# KiCad board sun3_60.kicad_pcb (continued)
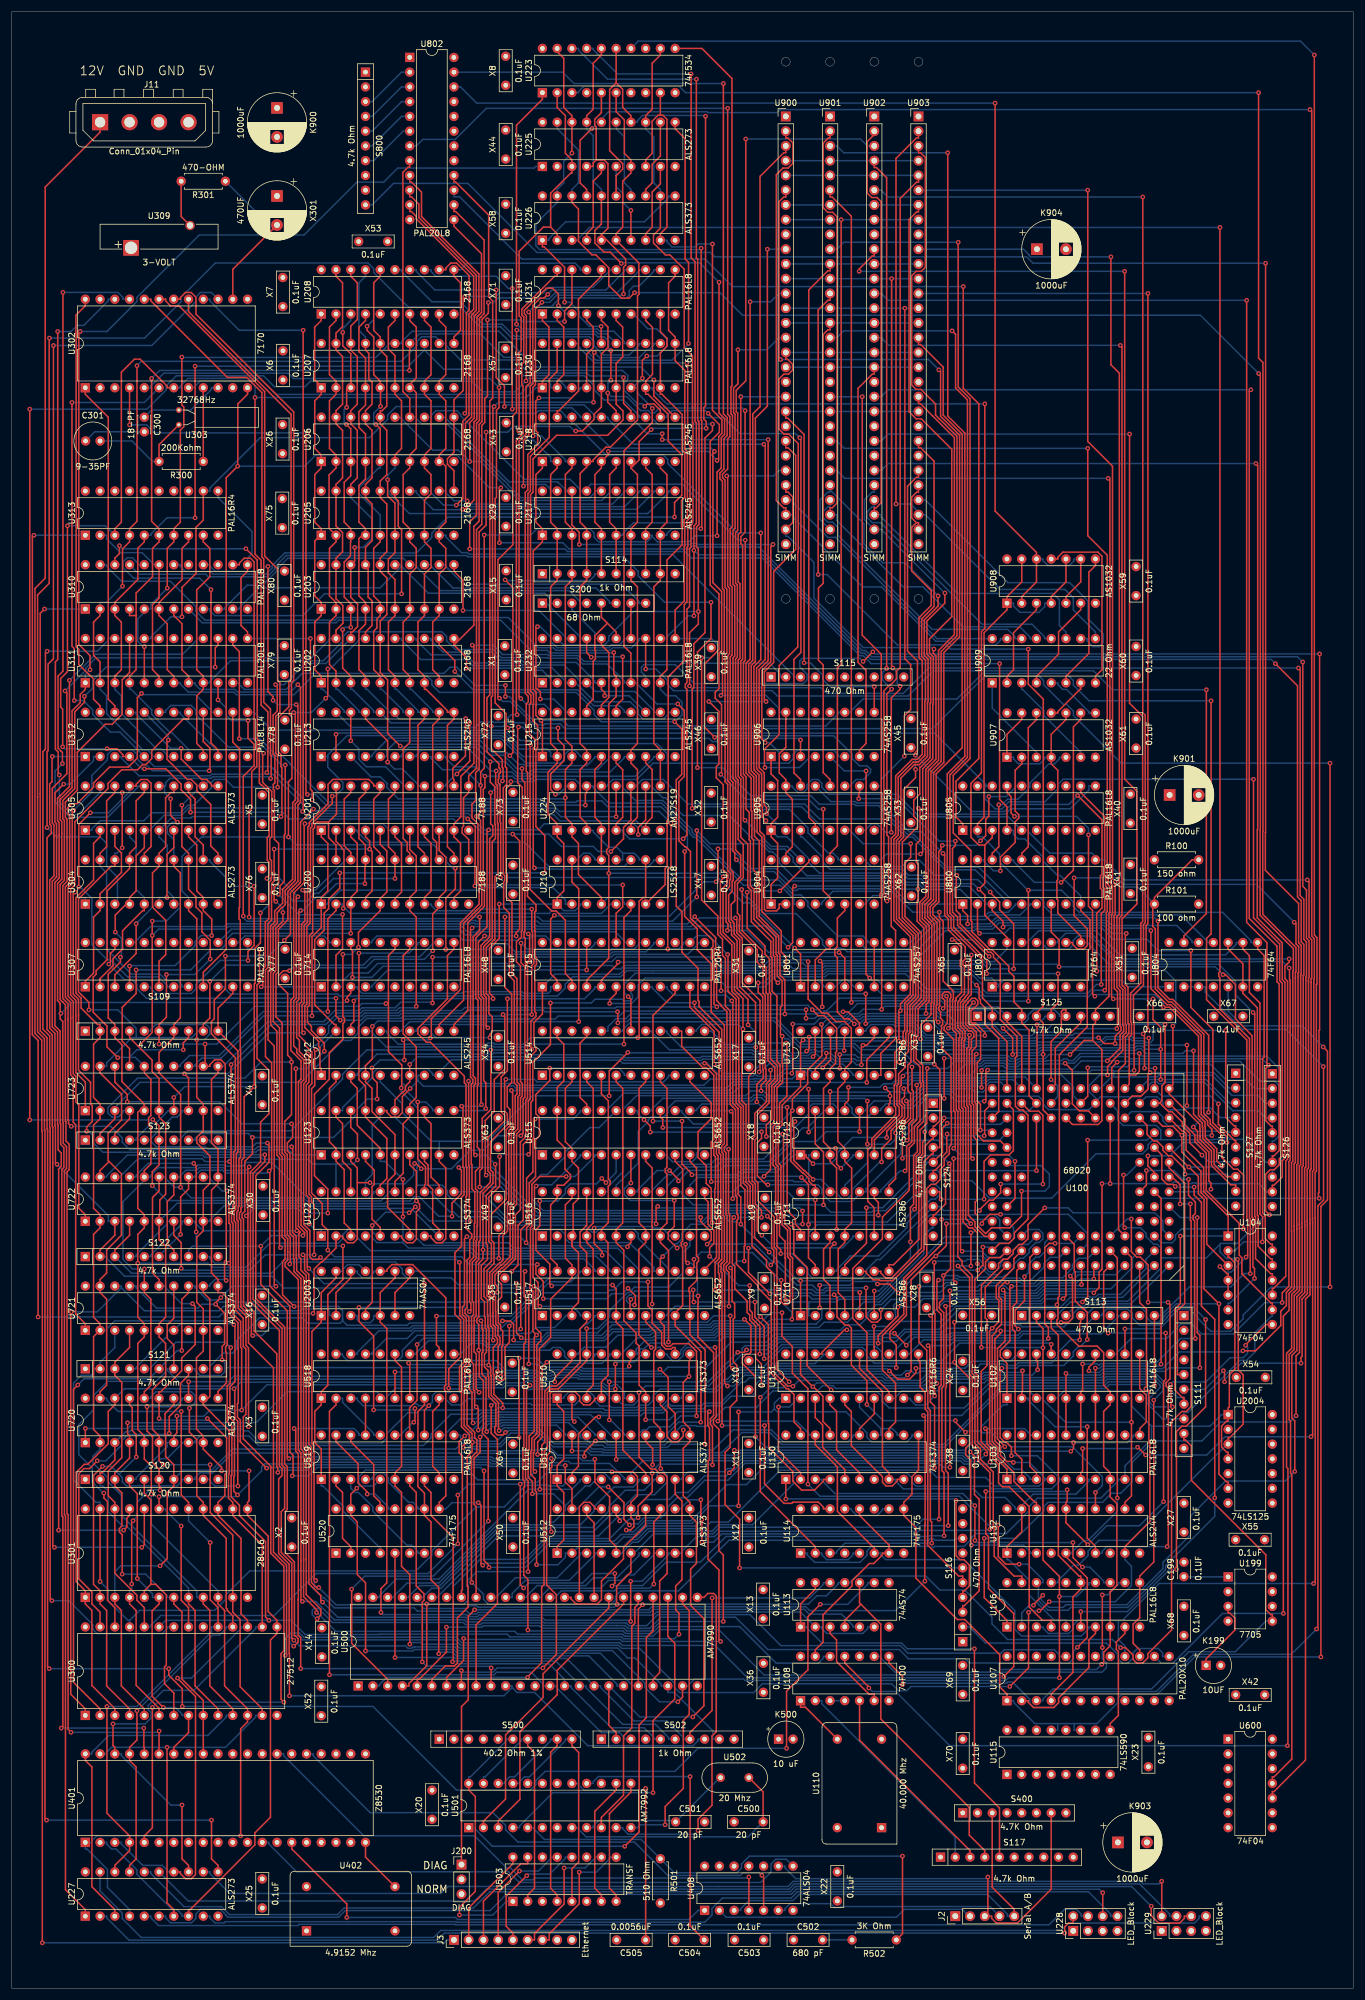
[diagram p0: board, top side]
## Routing (per net, layer and track width the routed paths; a pad name or vN(x,y) marks a point on that pad's centre or on a via; arc(x,y) is an arc through that point) (continued)
/sun3_60_mmu_diag/MMU6: length 314.9
  Top w0.25: v1(105.04,297.01) 103.11,298.94 102.06,298.94 100.47,300.52 100.47,302.67 101.6,303.8 U226.16 ; U215.8 109.22,210.97 110.35,209.85 110.35,201.65 109.22,200.53 U224.7 ; S114.8 U217.8 109.22,251.33 110.35,252.45 110.35,260.65 109.22,261.77 U218.8 ; v1(81.42,250.25) 81.42,210.09 80.8,209.47 v1(80.8,207.13) 80.8,202.55 v1(80.07,201.82) 80.78,201.12 80.78,190.52 80.99,190.31 80.99,186.5 80.13,185.64 77.86,183.37 77.86,170.16 73.66,165.96 U212.12 ; U225.17 99.06,322.45 100.19,323.57 100.19,331.48 101.6,332.89 U223.16 ; v1(121.86,293.77) 121.86,271.23 122.82,270.27 122.82,267.56 122.25,266.99 122.25,261.79 121.53,261.06 v1(121.53,250.11)
  Bottom w0.25: v1(105.04,297.01) 105.14,297.1 118.53,297.1 v1(121.86,293.77) ; v1(121.53,250.11) 117.7,250.11 116.66,249.07 111.25,249.07 110.35,249.98 ; 110.35,249.98 110.35,250.2 U217.8 ; 110.35,249.98 109.44,249.07 101.13,249.07 100.33,249.87 100.33,250.6 99.6,251.33 90.5,251.33 89.43,250.25 v1(81.42,250.25) ; v1(80.07,201.82) 80.35,202.1 93.38,202.1 94.46,201.02 107.6,201.02 U224.7 ; v1(80.8,207.13) 78.11,209.82 74.24,209.82 72.25,211.82 72.25,212.1 U213.8 ; U225.17 99.06,320.12 100.19,318.99 100.19,311.16 101.6,309.75 U226.16
/sun3_60_mmu_diag/MMU7: length 268
  Top w0.25: U223.19 93.98,333.46 95.11,332.33 95.11,323.86 96.52,322.45 U225.18 v1(96.52,316) ; U212.11 76.2,165.96 78.57,168.33 78.57,183.45 81.44,186.31 81.44,190.5 81.25,190.69 81.25,206.45 81.53,206.73 v1(81.53,208.72) ; U218.9 111.76,261.77 112.89,260.65 112.89,252.45 111.76,251.33 U217.9 S114.9 111.76,242.45 110.63,241.32 110.63,214.35 111.76,213.23 U215.9 U224.9 ; v1(118.79,299.62) 118.79,270.01 118.9,269.9 118.9,251.51 v1(118.72,251.33)
  Bottom w0.25: v1(118.79,299.62) 118.55,299.39 90.97,299.39 90.31,300.05 90.31,303.83 93.98,307.49 U226.19 93.98,309.75 95.11,310.87 95.11,314.59 v1(96.52,316) ; U213.9 74.79,212.1 74.79,211.82 76.27,210.33 79.91,210.33 v1(81.53,208.72) 86.29,208.72 86.73,208.28 89.66,208.28 90.1,208.72 107.44,208.72 110.63,211.91 110.63,212.1 U215.9 ; v1(118.72,251.33) 113.73,251.33 112.89,250.48 112.89,250.2 U217.9
/sun3_60_mmu_diag/MMU.S: length 44.7
  Top w0.25: U232.5 101.6,223.67 102.16,223.11 v1(102.16,222.57)
  Bottom w0.25: v1(102.16,222.57) 106.37,222.57 U215.13 ; U202.13 72.25,232.42 72.25,232.14 74.31,230.07 82.71,230.07 84.11,228.67 87.86,228.67 88.22,228.31 97.24,228.31 100.47,225.08 100.47,224.8 U232.5
/sun3_60_mmu_diag/MMU.V: length 55.4
  Bottom w0.25: U215.11 113.17,219.72 113.17,219.44 112.32,218.58 108.76,218.58 107.95,219.4 107.95,220.12 106.53,221.54 100.42,221.54 97.16,224.8 U232.3 95.39,224.8 95.39,225.08 93.07,227.41 87.84,227.41 87.48,227.77 79.46,227.77 78.42,228.8 70.5,228.8 67.17,232.14 67.17,232.42 U202.15
/sun3_60_mmu_diag/MMU.W: length 48.9
  Bottom w0.25: U215.12 110.63,219.72 110.63,220 107.34,223.3 100.56,223.3 U232.4 97.93,224.8 97.93,225.08 95.15,227.86 88.03,227.86 87.67,228.22 79.65,228.22 78.25,229.62 72.22,229.62 69.71,232.14 69.71,232.42 U202.14
/sun3_60_mmu_diag/MMU.X: length 40.2
  Top w0.25: U202.12 73.66,231.29 76.35,228.61 v1(76.35,226.74)
  Bottom w0.25: U215.14 105.55,219.72 105.55,220 104.71,220.85 100.28,220.85 97.54,223.59 79.5,223.59 v1(76.35,226.74)
/sun3_60_mmu_diag/MODIFY: length 38.6
  Bottom w0.25: S200.8 108.09,238.5 108.09,238.76 105.08,241.78 77.85,241.78 74.79,244.84 74.79,245.12 U203.12
/sun3_60_mmu_diag/MODIFYX: length 44.4
  Top w0.25: v1(90.59,234.46) 90.31,234.18 90.31,223.86 90.5,223.67 90.63,223.67 91.08,223.22 v1(91.08,222) ; S200.7 U232.14
  Bottom w0.25: v1(91.08,222) 93.39,222 95.39,220 95.39,219.72 U215.18 ; U232.14 105.55,232.42 105.55,232.18 104.66,231.29 103.35,231.29 102.89,230.84 93.96,230.84 92.85,231.94 92.85,232.69 91.08,234.46 v1(90.59,234.46)
/sun3_60_mmu_diag/RD.BERR-: length 63
  Top w0.25: U223.1 91.44,325.27 86.98,320.81 v1(86.98,286.53)
  Bottom w0.25: v1(86.98,286.53) 87.04,286.53 87.85,285.71 100.89,285.71 101.29,285.32 103.74,285.32 105.55,283.5 105.55,283.22 U230.14
/sun3_60_mmu_diag/RD.CX-: length 118.3
  Top w0.25: U210.7 112.58,190.06 112.58,192.83 112.92,193.17 112.92,200.28 112.86,200.34 112.86,200.94 113.11,201.2 113.11,225.83 115.88,228.6 115.88,238.26 116.33,238.72 116.33,248.11 116.49,248.26 116.49,251.86 116.31,252.04 116.31,252.64 116.86,253.19 116.86,265.62 116.46,266.02 116.46,279.75 v1(116.33,279.88)
  Bottom w0.25: U230.18 97.65,283.22 97.65,282.66 100.43,279.88 v1(116.33,279.88)
/sun3_60_mmu_diag/RD.ID-: length 111.9
  Top w0.25: v1(94.12,217.01) 94.12,215.02 95.17,213.97 95.17,211.41 92.85,209.09 92.85,206.42 v1(93.67,205.61) ; v1(84.05,222.13) 83.77,222.41 83.77,245.99 86.35,248.57 86.35,270.79 86.98,271.41 86.98,285.49 v1(87.01,285.53)
  Bottom w0.25: v1(94.12,217.01) 90.5,217.01 85.92,221.59 84.6,221.59 v1(84.05,222.13) ; v1(87.01,285.53) 87.4,285.53 87.66,285.26 100.7,285.26 101.1,284.87 102.49,284.87 U230.15 ; v1(93.67,205.61) 94.27,205.61 95.39,206.74 95.39,207.02 U224.15
/sun3_60_mmu_diag/RD.SYSEN-: length 50.2
  Top w0.25: U226.1 91.44,299.87 91.72,299.87 95.25,296.35 v1(95.25,290.32) ; U230.16 101.6,284.35 101.55,284.39 v1(101.55,286.17)
  Bottom w0.25: v1(95.25,290.32) 96.14,290.32 97.79,288.67 97.79,287.91 99.54,286.17 v1(101.55,286.17) ; U226.1 92.57,301 92.57,301.28 95.45,304.17 109,304.17 113.17,308.34 113.17,308.62 U226.11
/sun3_60_mmu_diag/SA17: length 95.8
  Top w0.25: U205.1 53.34,250.33 ; 53.34,250.33 52.21,249.2 52.21,239.75 53.34,238.63 U203.1 53.34,236.37 52.21,235.25 52.21,227.05 53.34,225.93 U202.1 ; 53.34,250.33 53.34,251.33 52.21,252.45 52.21,260.65 53.34,261.77 U206.1 53.34,264.03 52.21,265.15 52.21,273.35 53.34,274.47 U207.1 53.34,275.85 52.2,276.99 52.2,286.03 53.34,287.17 U208.1 ; U213.18 v1(58.42,214.82)
  Bottom w0.25: U202.1 53.34,223.67 53.62,223.67 57.29,220 57.29,219.72 U213.18 ; U201.16 67.45,207.02 67.45,207.3 64.41,210.34 61.12,210.34 59.83,211.62 59.83,213.4 v1(58.42,214.82)
/sun3_60_mmu_diag/SA18: length 94.6
  Top w0.25: U213.17 60.96,218.59 64.77,214.78 v1(64.77,211.14) ; U202.2 55.88,226.8 54.75,227.93 54.75,235.25 55.88,236.37 U203.2 55.88,238.63 54.75,239.75 54.75,247.95 55.88,249.07 U205.2 54.69,251.39 54.69,260.58 55.88,261.77 U206.2 55.88,264.03 54.75,265.15 54.75,273.35 55.88,274.47 U207.2 55.88,276.73 54.75,277.85 54.75,286.05 55.88,287.17 U208.2
  Bottom w0.25: v1(64.77,211.14) 65.95,209.96 67.34,209.96 69.99,207.3 69.99,207.02 U201.15 ; U202.2 55.88,223.67 56.16,223.67 59.83,220 59.83,219.72 U213.17
/sun3_60_mmu_diag/SA19: length 110.1
  Top w0.25: v1(78.91,217.88) 78.91,211.29 v1(76.72,209.1) ; 58.42,278.53 U207.3 ; 58.42,278.53 58.42,281.45 57.04,282.83 v1(57.04,285.13) ; 58.42,278.53 58.42,276.35 57.72,275.65 v1(57.72,272.23) ; v1(57.67,269.28) 58.42,268.53 U206.3 58.42,260.44 57.29,259.32 57.29,252.45 58.42,251.33 U205.3 58.42,249.07 58.37,249.02 58.37,246.66 57.29,245.59 57.29,239.57 58.42,238.44 U203.3 v1(58.42,234.35) ; U202.3 58.42,225.93 57.02,227.32 v1(57.02,233.97)
  Bottom w0.25: U208.3 58.42,287.17 57.04,285.8 v1(57.04,285.13) ; U202.3 58.42,223.67 58.7,223.67 62.37,220 62.37,219.72 U213.16 65.34,217.88 v1(78.91,217.88) ; v1(76.72,209.1) 76.59,209.1 74.79,207.29 74.79,207.02 U201.14 ; v1(58.42,234.35) 57.41,234.35 v1(57.02,233.97) ; v1(57.67,269.28) 57.28,269.67 57.28,271.8 v1(57.72,272.23)
/sun3_60_mmu_diag/SA20: length 102.5
  Top w0.25: U202.4 60.96,225.93 59.83,227.05 59.83,233.76 60.96,234.89 U203.4 60.96,238.63 59.82,239.76 59.82,249.63 60.96,250.76 ; 60.96,250.76 60.96,251.33 59.82,252.46 59.82,258.77 60.96,259.91 U206.4 60.96,267.63 59.82,268.76 59.82,271.47 60.96,272.61 U207.4 60.96,280.68 59.83,281.81 59.83,286.05 60.96,287.17 U208.4 ; 60.96,250.76 U205.4 ; U201.13 76.2,208.15 75.99,208.36 75.99,210.03 78.18,212.22 78.18,218.6 v1(78.22,218.64)
  Bottom w0.25: v1(78.22,218.64) 78.18,218.59 66.71,218.59 65.58,219.72 ; U202.4 60.96,223.67 61.24,223.67 64.91,220 64.91,219.72 65.58,219.72 ; 65.58,219.72 U213.15
/sun3_60_mmu_diag/SA21: length 107
  Top w0.25: U200.16 68.58,195.45 68.13,195.9 68.13,197.31 67.45,197.99 67.45,213.38 68.58,214.51 U213.14 ; 63.5,276.16 63.55,276.12 v1(63.55,272.39) ; 63.5,276.16 U207.5 ; 63.5,276.16 63.5,276.73 62.37,277.85 62.37,284.34 61.23,285.48 v1(61.23,286.19) ; U202.5 63.5,225.93 62.37,227.06 62.37,233.68 62.93,234.25 62.93,235.8 63.5,236.37 U203.5 63.5,238.63 62.37,239.76 62.37,247.94 63.5,249.07 U205.5 ; U206.5 63.5,268.53 v1(62.75,269.29)
  Bottom w0.25: U205.5 63.5,253.69 59.83,257.35 59.83,258.39 63.22,261.77 63.5,261.77 U206.5 ; v1(63.55,272.39) 62.37,271.21 62.37,269.66 v1(62.75,269.29) ; v1(61.23,286.19) 62.37,287.33 62.37,288.3 U208.5 ; U213.14 67.45,219.72 67.45,220 63.78,223.67 63.5,223.67 U202.5
/sun3_60_mmu_diag/SA22: length 102.6
  Top w0.25: U200.15 71.12,195.45 69.99,196.57 69.99,217.47 71.12,218.59 U213.13 ; U202.6 66.04,225.93 64.91,227.05 64.91,235.25 66.04,236.37 U203.6 66.04,242.58 64.9,243.72 64.9,246.07 66.04,247.21 U205.6 66.04,255.73 64.77,257 v1(64.77,259.76) ; U206.6 66.04,264.03 67.17,265.15 67.17,273.35 66.04,274.47 U207.6 66.04,281.13 64.9,282.27 64.9,286.04 66.04,287.17 U208.6
  Bottom w0.25: U213.13 69.99,219.72 69.99,220 66.32,223.67 66.04,223.67 U202.6 ; v1(64.77,259.76) 64.77,260.5 66.04,261.77 U206.6
/sun3_60_mmu_diag/SA23: length 102.8
  Top w0.25: U208.7 68.58,287.17 69.71,286.04 69.71,277.3 68.58,276.16 68.58,275.88 ; 68.58,275.88 U207.7 ; 68.58,275.88 69.71,274.75 69.71,265.15 68.58,264.03 U206.7 68.58,261.77 67.45,260.65 67.45,252.45 68.58,251.33 U205.7 68.58,249.07 69.71,247.95 69.71,244.65 68.58,243.53 68.58,238.63 U203.7 68.58,236.37 67.45,235.25 67.45,227.05 68.58,225.93 U202.7 ; U200.14 73.21,194.77 73.21,197.31 72.53,197.99 72.53,217.47 73.66,218.59 U213.12
  Bottom w0.25: U202.7 68.58,223.67 68.86,223.67 72.53,220 72.53,219.72 U213.12
/sun3_60_mmu_diag/SA24: length 102.5
  Top w0.25: U208.8 71.12,287.17 72.25,286.05 72.25,277.85 71.12,276.73 U207.8 71.12,274.47 72.25,273.35 72.25,265.15 71.12,264.03 U206.8 71.12,261.77 72.25,260.65 72.25,257.35 71.12,256.23 71.12,251.33 U205.8 71.12,249.07 72.25,247.95 72.25,244.65 71.12,243.53 71.12,238.63 U203.8 71.12,236.37 69.99,235.25 69.99,227.05 71.12,225.93 U202.8 71.12,223.67 71.4,223.67 75.07,220 75.07,219.72 U213.11 76.2,218.59 75.07,217.47 75.07,196.57 76.2,195.45 U200.13
/sun3_60_mmu_diag/TYPE0X: length 22.6
  Top w0.25: U215.16 101.6,220.99 102.89,222.27 102.89,230.01 101.6,231.29 U232.16
  Bottom w0.25: S200.3 96.52,237.37 100.47,233.42 100.47,232.42 U232.16
/sun3_60_mmu_diag/TYPE1X: length 29.3
  Top w0.25: v1(105.27,229.29) 105.27,221.97 104.14,220.85 U215.15 ; U232.17 99.06,229.99 v1(99.84,229.21)
  Bottom w0.25: S200.1 92.14,238.5 97.93,232.7 97.93,232.42 U232.17 ; v1(105.27,229.29) 99.92,229.29 v1(99.84,229.21)
/sun3_60_mmu_diag/WE.PMAP0-: length 114.2
  Top w0.25: U202.11 76.2,231.29 ; 76.2,231.29 79.63,234.73 79.63,251.72 80.53,252.62 80.53,269.29 81.04,269.8 81.04,287.36 81.25,287.56 81.25,287.57 81.67,288 81.68,288 82.12,288.44 v1(82.12,290.27) ; 76.2,231.29 78.36,229.14 v1(78.36,227.32)
  Bottom w0.25: U231.13 108.09,295.92 108.09,295.72 104.34,291.97 93.67,291.97 92.59,290.89 92.11,290.89 91.94,291.06 83.8,291.06 83,290.27 v1(82.12,290.27) ; U232.2 92.85,224.8 92.85,225.5 91.4,226.96 87.65,226.96 87.3,227.32 v1(78.36,227.32)
/sun3_60_mmu_diag/WE.PMAP2-: length 63.3
  Top w0.25: v1(78.09,291.34) 77.78,291.03 77.78,275.12 76.2,273.53 U206.11 76.2,264.49 75.07,263.37 75.07,262.43 76.2,261.31 U205.11
  Bottom w0.25: v1(78.09,291.34) 83.44,291.34 84.07,291.97 91.61,291.97 92.52,292.87 100.17,292.87 103.01,295.72 103.01,295.92 U231.15
/sun3_60_mmu_diag/WE.PMAP3-: length 37.6
  Top w0.25: U208.11 76.2,294.79 77.33,293.67 77.33,285.47 76.2,284.35 U207.11
  Bottom w0.25: U231.17 97.93,295.92 97.93,296.2 97.09,297.05 78.45,297.05 77.33,295.92 U208.11
/sun3_60_mmu_diag/WE.SMAP-: length 118.1
  Top w0.25: v1(81.98,287.27) 81.98,274.2 81.5,273.72 81.5,269.61 80.99,269.1 80.99,252.08 80.09,251.17 80.09,210.13 78.74,208.79 U201.12 78.74,205.89 77.85,205 77.85,200.1 77.61,199.87 77.61,198.93 78.74,197.81 U200.12 ; U231.18 96.52,290.07 95.25,288.8 v1(95.25,287)
  Bottom w0.25: v1(95.25,287) 87.98,287 87.71,287.27 v1(81.98,287.27)
/sun3_60_mmu_diag/WE.STAT-: length 29.4
  Top w0.25: U203.11 76.2,243.99 77.76,242.44 v1(77.76,237.26)
  Bottom w0.25: v1(77.76,237.26) 90.84,237.26 95.39,232.7 95.39,232.42 U232.18
/sun3_60_mmu_diag/WR.CX-: length 115.9
  Top w0.25: U230.19 93.98,278.4 92.63,277.05 92.63,267.06 89.37,263.8 89.37,257.81 88.94,257.37 88.94,223.17 89.45,222.66 89.45,221.31 89.2,221.05 89.2,215.99 90.15,215.04 90.15,213.83 89.86,213.54 89.86,193.12 v1(90.06,192.92)
  Bottom w0.25: v1(90.06,192.92) 92.15,192.92 92.34,192.73 109.25,192.73 110.63,194.11 110.63,194.32 U210.9
/sun3_60_mmu_diag/WR.DIAG-: length 411.6
  Top w0.25: v1(6.52,284.15) 6.48,284.11 6.48,241.92 4.47,239.92 4.47,205.15 4.48,205.15 4.48,164.69 5.65,163.51 5.65,147.81 5.74,147.72 5.74,29.25 v1(6.02,28.97) ; v1(34.43,28.97) 34.43,22.31 35.56,21.18 U227.11
  Bottom w0.25: v1(6.52,284.15) 22.9,284.15 29.21,290.45 29.21,291.19 35.09,297.07 61.41,297.07 62.37,296.1 62.37,295.45 68.34,289.48 77.32,289.48 80.71,286.09 84.24,286.09 86.31,284.02 87.96,284.02 88.3,284.36 99.56,284.36 100.33,283.59 100.33,282.83 101.92,281.24 106.39,281.24 108.09,282.94 108.09,283.22 U230.13 ; v1(34.43,28.97) v1(6.02,28.97)
/sun3_60_mmu_diag/WR.SYSEN-: length 59.7
  Top w0.25: U225.11 114.3,320.19 116.03,318.47 116.03,297.77 116.61,297.18 v1(116.61,283.21)
  Bottom w0.25: U230.17 99.06,281.96 100.69,280.33 113.73,280.33 v1(116.61,283.21)
/TEST0-: length 41
  Bottom w0.25: S116.2 164.97,62.24 167.76,59.45 188.61,59.45 190.52,57.55 190.52,56.83 191.31,56.03 192.31,56.03 193.2,56.92 193.2,57.77 193.95,58.52 197.54,58.52 198.28,57.78 198.28,57.16 U107.13
/TEST1-: length 76.6
  Top w0.25: U103.11 194.32,96.39 195.45,97.51 195.45,102.16 194.32,103.28 U102.11 ; v1(165.11,92.38) 165.86,91.63 165.86,85.04 166.68,84.22 166.68,68.46 164.13,65.91 163.84,65.91 S116.3 ; v1(182.46,92.48) 182.93,92.96 v1(182.93,93.97)
  Bottom w0.25: U103.11 193.2,95.26 193.2,94.98 192.19,93.97 v1(182.93,93.97) ; v1(165.11,92.38) 166.42,93.69 169.35,93.69 170.57,92.48 v1(182.46,92.48)
/TEST2-: length 51.5
  Top w0.25: U130.1 v1(133.37,84.27) ; v1(162.69,84.01) 162.69,74.5 163.38,73.81 164.05,73.81 164.99,72.88 164.99,69.31 164.13,68.45 163.84,68.45 S116.4
  Bottom w0.25: v1(162.69,84.01) 162.43,84.27 v1(133.37,84.27)
/TEST3-: length 43
  Top w0.25: 156.22,109.22 156.22,108.09 156.51,107.81 156.51,103.52 157.37,102.66 157.37,99.73 157.82,99.28 157.82,77 157.78,76.96 157.78,76.35 163.15,70.99 163.84,70.99 S116.5
/TEST4-: length 315.5
  Top w0.25: v1(126.21,125.24) 126.21,127.76 126.33,127.88 126.33,131.88 126.31,131.9 126.31,137.53 125.61,138.23 125.61,151.66 125.58,151.69 124.81,152.46 124.81,170.31 123.4,171.71 123.4,177.95 v1(123.34,178.01) ; v1(123.84,124.05) 124.11,123.78 124.11,118.34 124.55,117.89 124.55,115.46 124.31,115.22 124.31,107.89 124.91,107.29 124.91,101.25 123.78,100.11 123.78,93.16 122.9,92.29 122.9,83.29 125.4,80.78 v1(125.4,72.4) ; v1(113.58,200.64) 113.58,193.19 113.03,192.64 v1(113.03,178.95) ; v1(51.78,204.65) 51.78,206.17 51.48,206.47 v1(51.48,232.42) ; U310.13 40.64,243.99 39.51,242.87 39.51,234.67 40.64,233.55 U311.13
  Bottom w0.25: v1(125.4,72.4) S116.6 ; U313.11 35.56,256.69 41.4,250.85 41.4,247.01 40.64,246.25 U310.13 ; v1(51.78,204.65) 53.24,203.19 93.8,203.19 94.35,202.65 111.58,202.65 v1(113.58,200.64) ; v1(113.03,178.95) 114.87,178.95 115.71,179.79 115.71,180.08 U715.14 118.02,181.25 120.1,181.25 v1(123.34,178.01) ; v1(126.21,125.24) 125.03,125.24 v1(123.84,124.05) ; U311.13 v1(51.48,232.42)
/TEST6-: length 211.3
  Top w0.25: v1(79.27,69.89) 79.21,69.95 79.21,91.45 80.07,92.3 80.08,92.3 80.14,92.37 80.14,94.47 79.77,94.84 79.77,95.72 78.46,97.03 78.46,102.87 78.07,103.26 78.07,106.64 78.78,107.35 78.78,115.56 78.12,116.22 78.12,116.83 78.46,117.17 78.46,123.33 78.46,123.33 78.46,125.39 78.92,125.86 78.92,128.9 79.27,129.25 79.27,129.85 78.27,130.85 78.27,136.34 78.4,136.46 78.4,141.43 78.27,141.56 78.27,155.65 78,155.92 78,157.05 72.14,162.91 71.45,162.91 69.99,164.37 69.99,165.3 75.07,170.38 75.07,177.82 76.2,178.95 U714.11
  Bottom w0.25: S116.8 162.72,77.48 162.41,77.17 159.02,77.17 158.81,77.38 158.2,77.38 157.99,77.17 123.59,77.17 114.87,68.45 104.95,68.45 104.02,67.52 104.02,66.86 103.31,66.15 82.13,66.15 81.29,66.99 81.29,67.87 v1(79.27,69.89)
/V.INT-: length 195.5
  Top w0.25: v1(187.71,172.85) 187.71,185.04 188.29,185.61 188.29,189.35 188.01,189.62 188.01,191.35 188.29,191.62 188.29,201.77 184.16,205.89 U805.12
  Bottom w0.25: v1(187.71,172.85) 186.89,172.85 185.37,171.33 167.99,171.33 167.24,172.07 167.24,172.76 164.64,175.36 164.1,175.36 163.42,176.05 153.86,176.05 153.85,176.05 140.09,176.05 139.66,175.62 137.71,175.62 137.7,175.6 134.56,175.6 134.04,176.12 131.16,176.12 130.27,175.23 110.66,175.23 110.66,175.23 105.95,175.23 104.89,174.18 96.65,174.18 95.38,172.91 95.38,172.24 94,170.87 88.02,170.87 87.73,171.15 79.7,171.15 79.42,170.87 56.52,170.87 56.17,171.21 37.65,171.21 36.69,172.18 36.69,172.46 U307.10
/WDOG-: length 411.1
  Top w0.25: v1(219.08,64.56) 219.08,115.77 220.05,116.74 220.05,119.66 220.96,120.56 220.96,130.53 220.94,130.55 220.94,131.19 220.93,131.2 220.93,141.98 221.15,142.2 221.15,173.95 221.15,173.95 221.15,174.96 221.25,175.06 221.25,179.21 215.52,184.93 215.52,199.17 215.56,199.2 215.56,279.94 214.81,280.69 v1(214.81,326.41)
  Bottom w0.25: v1(219.08,64.56) 208.6,64.56 200.02,55.98 198.05,55.98 U107.14 ; U223.3 97.65,326.4 97.65,326.59 98.58,327.53 114.97,327.53 116.1,326.41 v1(214.81,326.41)
/WRITE-: length 602.3
  Top w0.25: v1(139.65,169) 139.65,176.5 v1(139.26,176.89) ; v1(214.11,122.23) 214.11,123.96 213.83,124.23 213.83,132.64 213.69,132.78 213.69,147.32 213.69,147.32 213.69,164.04 210.83,166.9 210.83,172.83 209.11,174.55 v1(208.68,174.55) ; v1(110.37,272.03) 110.37,269.61 105.5,264.75 105.5,231.08 106.68,229.89 U232.7 ; v1(51,160.91) 51.21,160.7 51.21,156.02 50.76,155.57 50.76,136.58 51.21,136.13 51.21,131.69 v1(51.28,131.62) ; v1(114.75,221.15) 115.88,220.02 115.88,208.67 114.95,207.74 114.95,197.6 115.99,196.56 116.14,196.56 116.95,195.75 116.95,184.23 117.37,183.8 117.45,183.8 120.83,180.42 120.83,179.36 120.55,179.08 120.55,177.2 121,176.75 121,169.49 v1(121.49,169) ; U312.9 33.02,213.23 31.89,214.35 31.89,222.55 33.02,223.67 U311.9 33.02,225.93 31.88,227.06 31.88,240.79 34.15,243.05 34.15,247.95 33.02,249.07 U313.9 ; U800.7 179.09,181.88 180.45,180.52 v1(180.45,175.9) ; v1(108.66,277.25) 108.66,280.3 v1(109.42,281.07) ; v1(137.92,168.51) 138.96,167.48 139.96,167.48 142.12,165.32 142.12,161.27 141.93,161.09 141.93,159.29 140.99,158.34 U713.3 140.99,156.09 139.86,154.96 139.86,145.77 140.99,144.65 U712.3 140.99,142.39 142.11,141.27 v1(142.11,130.67) ; U710.3 140.99,116.97 140.97,116.99 140.97,121.02 139.86,122.13 139.86,127.29 140.99,128.41 U711.3
  Bottom w0.25: v1(51,160.91) 51,161.27 52.09,162.37 52.48,162.37 54.61,164.5 54.61,165.71 56.32,167.42 60.3,167.42 60.82,167.93 66.58,167.93 67.02,168.37 77.54,168.37 78.06,168.89 91.74,168.89 91.82,168.81 104,168.81 104.18,168.99 121.47,168.99 v1(121.49,169) 121.75,169.26 137.17,169.26 v1(137.92,168.51) 139.16,168.51 v1(139.65,169) ; v1(110.37,272.03) 110.37,272.13 107.81,274.69 107.81,275.6 107.24,275.6 ; v1(108.66,277.25) 107.24,275.83 107.24,275.6 ; U711.3 140.99,130.67 v1(142.11,130.67) ; v1(214.11,122.23) 209.84,117.97 209.56,117.97 U104.6 ; v1(51.28,131.62) 52.24,130.67 53.34,130.67 U122.1 ; v1(139.26,176.89) 139.32,176.95 163.97,176.95 164.29,177.27 164.89,177.27 165.17,176.99 167.42,176.99 168.07,176.35 179.99,176.35 v1(180.45,175.9) 207.33,175.9 v1(208.68,174.55) ; v1(109.42,281.07) 111.21,281.07 112.9,282.76 112.9,283.96 111.11,285.75 109.6,285.75 107.05,288.3 U231.7 ; U311.9 34.15,224.8 34.15,225.02 37.7,228.58 53.67,228.58 57.15,232.06 57.15,232.8 57.93,233.57 74.13,233.57 74.93,232.78 74.93,232.04 76.45,230.52 82.95,230.52 84.35,229.12 92.25,229.12 92.33,229.04 97.4,229.04 98.41,228.03 102.6,228.03 105.55,225.08 105.55,224.8 U232.7 107.81,224.8 107.81,224.52 111.17,221.15 v1(114.75,221.15) ; 107.24,275.6 U230.7
/XACK-: length 193.7
  Top w0.25: 148.6,101.6 148.6,98.93 146.06,96.39 U130.15 ; v1(84.05,143.23) 84.05,138.1 82.2,136.25 82.2,128.62 82.65,128.17 82.65,125.2 81.38,123.92 81.38,119.14 81.97,118.55 81.97,116.01 82.04,115.95 82.04,113.87 82.24,113.67 82.24,107.37 v1(82.18,107.31) 82.52,106.97 82.52,105.6 82.63,105.5 82.63,102.1 83.87,100.86 83.87,96.14 v1(83.98,96.03) ; v1(68.38,107.65) 68.58,107.45 U518.7 ; v1(92.82,169.67) 92.82,162.5 89.77,159.45 89.77,152.89 89.46,152.58 89.46,146.59 89.35,146.47 89.35,143.87 v1(89.06,143.59)
  Bottom w0.25: v1(89.06,143.59) 84.42,143.59 v1(84.05,143.23) ; v1(92.82,169.67) 99.86,169.67 100.5,170.31 105.16,170.31 105.44,170.03 106.57,170.03 106.96,170.41 106.96,171.05 106.68,171.33 U715.7 ; v1(82.18,107.31) 82.07,107.42 68.61,107.42 v1(68.38,107.65) ; v1(83.98,96.03) 84.34,96.03 84.83,96.52 85.5,96.52 85.5,96.52 90.7,96.52 93.47,93.76 99.11,93.76 100,92.87 101.83,92.87 102.01,92.69 120.83,92.69 124.29,96.16 130.87,96.16 132.9,94.13 144.09,94.13 144.94,94.98 144.94,95.26 U130.15
Net-(C300-Pad2): length 10.8
  Bottom w0.25: C301.1 14.32,268.02 C300.2
Net-(C301-Pad2): length 19.4
  Top w0.25: U303.1 25.4,265.81 R300.2
  Bottom w0.25: R300.2 24.27,262.9 20.74,266.44 C301.2
Net-(C502-Pad2): length 5.1
  Bottom w0.25: R502.2 C502.2
Net-(J2-Pin_2): length 45.6
  Bottom w0.25: U408.2 123.1,12.25 152.41,12.25 153.77,13.61 163.74,13.61 164.91,12.44 165.98,12.44
Net-(J2-Pin_3): length 71.7
  Top w0.25: 168.17,12.44 168.82,12.44 168.82,12.07 169.63,11.26 173.27,11.26 179.09,17.07 S400.7 ; 168.17,12.44 J2.3 ; 168.17,12.44 v1(168.17,19.17)
  Bottom w0.25: U408.9 133.21,21.05 133.21,20.77 135.08,18.9 167.89,18.9 v1(168.17,19.17)
Net-(J2-Pin_4): length 39.8
  Bottom w0.25: J2.4 168.52,14.09 142.87,14.09 142.71,13.93 141.77,13.93 141.11,14.59 134.08,14.59 133.21,13.71 133.21,13.43 U408.6
Net-(J2-Pin_5): length 70.7
  Top w0.25: J2.5 172.72,13.61 168.93,17.41 S400.3
  Bottom w0.25: U408.3 125.59,13.43 125.59,13.71 126.99,15.11 134.59,15.11 135.66,16.18 168.12,16.18 171.54,12.76 171.54,12.44 J2.5
Net-(U108-Pad3): length 2.5
  Bottom w0.25: U108.4 U108.3
Net-(U110-OUT): length 9.7
  Top w0.25: U108.1 135.91,48.41 136.74,48.41 U110.8
Net-(U199-CT): length 12.8
  Top w0.25: K199.1 205.78,56.74 210.69,61.66 210.69,63.8 209.84,64.65 209.56,64.65 U199.3
Net-(U199-REF): length 7.6
  Bottom w0.25: U199.1 201.99,70.86 C199.1
Net-(U225-Q1): length 13.8
  Top w0.25: U225.5 101.6,312.57 100.19,311.16 100.19,303.25 99.06,302.13 U226.4
Net-(U225-Q2): length 13.8
  Top w0.25: U226.7 v1(106.68,306.13)
  Bottom w0.25: v1(106.68,306.13) 105.32,307.49 105.32,309.04 104.14,310.21 U225.6
Net-(U225-Q4): length 13.8
  Top w0.25: U226.13 109.22,309.75 110.35,310.87 110.35,314.09 111.76,315.5 U225.12
Net-(U225-Q5): length 13.8
  Bottom w0.25: U226.14 106.68,309.75 105.55,310.87 105.55,318.78 104.14,320.19 U225.15
Net-(U302-OIN): length 15
  Bottom w0.25: U302.10 34.43,275.6 34.43,275.32 30.87,271.76 U303.2 24.1,271.76 C300.1
Net-(U302-OOUT): length 12.7
  Top w0.25: R300.1 U302.9
Net-(U302-VBAK): length 27.9
  Top w0.25: X301.2 38.1,296 U302.14
  Bottom w0.25: R301.1 44.37,303.62 X301.2
Net-(U309--): length 8.3
  Top w0.25: U309.2 29.21,305.07 R301.2
Net-(U401-PCLK): length 9.7
  Top w0.25: U402.8 60.96,22.61 U401.20
Net-(U401-RXDA): length 97.4
  Bottom w0.25: U401.13 44.31,25.13 44.31,24.85 49.09,20.07 85.63,20.07 87.47,18.23 129.04,18.23 130.81,20 130.81,21.4 131.64,22.23 133.44,22.23 U408.8
Net-(U401-RXDB): length 96.4
  Top w0.25: U408.4 v1(127,19.17)
  Bottom w0.25: v1(127,19.17) 126.82,19 90.04,19 89.73,18.68 87.97,18.68 85.97,20.68 85.34,20.68 79.74,26.28 60.66,26.28 46.85,40.09 46.85,40.38 U401.27
Net-(U401-TXDA): length 79.3
  Top w0.25: v1(57.74,12.21) 57.74,14.53 48.26,24.01 U401.15
  Bottom w0.25: U408.1 118.25,13.43 116.67,11.85 76.85,11.85 76.49,12.21 v1(57.74,12.21)
Net-(U401-TXDB): length 94.3
  Top w0.25: U408.5 129.54,19.17 v1(129.25,19.47)
  Bottom w0.25: U401.25 51.93,40.38 51.93,40.1 61.77,30.25 82.91,30.25 85.09,28.08 85.09,27.31 87.21,25.19 107.29,25.19 113.04,19.45 125.55,19.45 126,19.9 128.81,19.9 v1(129.25,19.47)
Net-(U501-PF): length 39.5
  Top w0.25: C505.1 v1(109.22,34.43)
  Bottom w0.25: v1(109.22,34.43) 108.94,34.15 98.59,34.15 97.65,35.09 97.65,35.3 U501.17
Net-(U501-RF): length 47.6
  Top w0.25: v1(116.88,36.48) 116.88,10.77 C504.1
  Bottom w0.25: U501.16 100.19,35.3 100.19,35.58 101.09,36.48 v1(116.88,36.48)
Net-(U501-TSEL): length 84.4
  Top w0.25: R502.1 153.47,9.42 v1(153.47,22.77)
  Bottom w0.25: U501.5 90.03,27.68 90.03,27.39 91.78,25.64 108.44,25.64 R501.1 114.18,19.9 124.93,19.9 125.73,20.7 125.73,21.4 127.1,22.77 v1(153.47,22.77)
Net-(U501-X1): length 43.5
  Top w0.25: C500.2 129.46,33.83 U502.2
  Bottom w0.25: U501.8 97.65,27.68 97.65,27.41 98.96,26.1 126.89,26.1 C500.2
Net-(U501-X2): length 27
  Bottom w0.25: U502.1 122,36.29 C501.1 114.16,28.89 101.12,28.89 100.19,27.96 100.19,27.68 U501.9
Net-(U803-D1): length 284.7
  Top w0.25: v1(183.03,191.21) 183.03,184.71 185.3,182.44 185.3,179.55 184.69,178.95 183.6,178.95 182.75,179.79 182.75,180.08 U803.9 ; v1(147.67,51.72) 147.67,51.89 143.53,56.03 U108.11 ; v1(219.77,41.79) 219.86,41.88 219.86,89.49 219.63,89.72 219.63,109.34 220.5,110.21 220.5,119.48 220.87,119.84 220.87,119.84 221.41,120.38 221.41,130.72 221.39,130.74 221.39,131.37 221.38,131.39 221.38,141.8 221.6,142.02 221.6,174.13 221.6,174.14 221.6,174.77 221.7,174.87 221.7,179.39 221.25,179.85 221.25,183.26 v1(220.94,183.57)
  Bottom w0.25: v1(183.03,191.21) 190.39,191.21 191.52,190.09 214.42,190.09 v1(220.94,183.57) ; v1(147.67,51.72) 148.27,51.13 152.27,51.13 161.61,41.79 v1(219.77,41.79)

## Copper pours and planes (outline as drawn; the poured copper is in the pictures)
GND on In1.Cu: 0,340.36 231.14,340.36 231.14,0 0,0
VCC on In2.Cu: 0,340.36 231.14,340.36 231.14,0 0,0

## Text on the board
F.Silkscreen: DIAG / NORM | 12V  GND  GND  5V
